# Altium PCB 16SoundsUSB.PcbDoc (part 1 of 4) (continued)
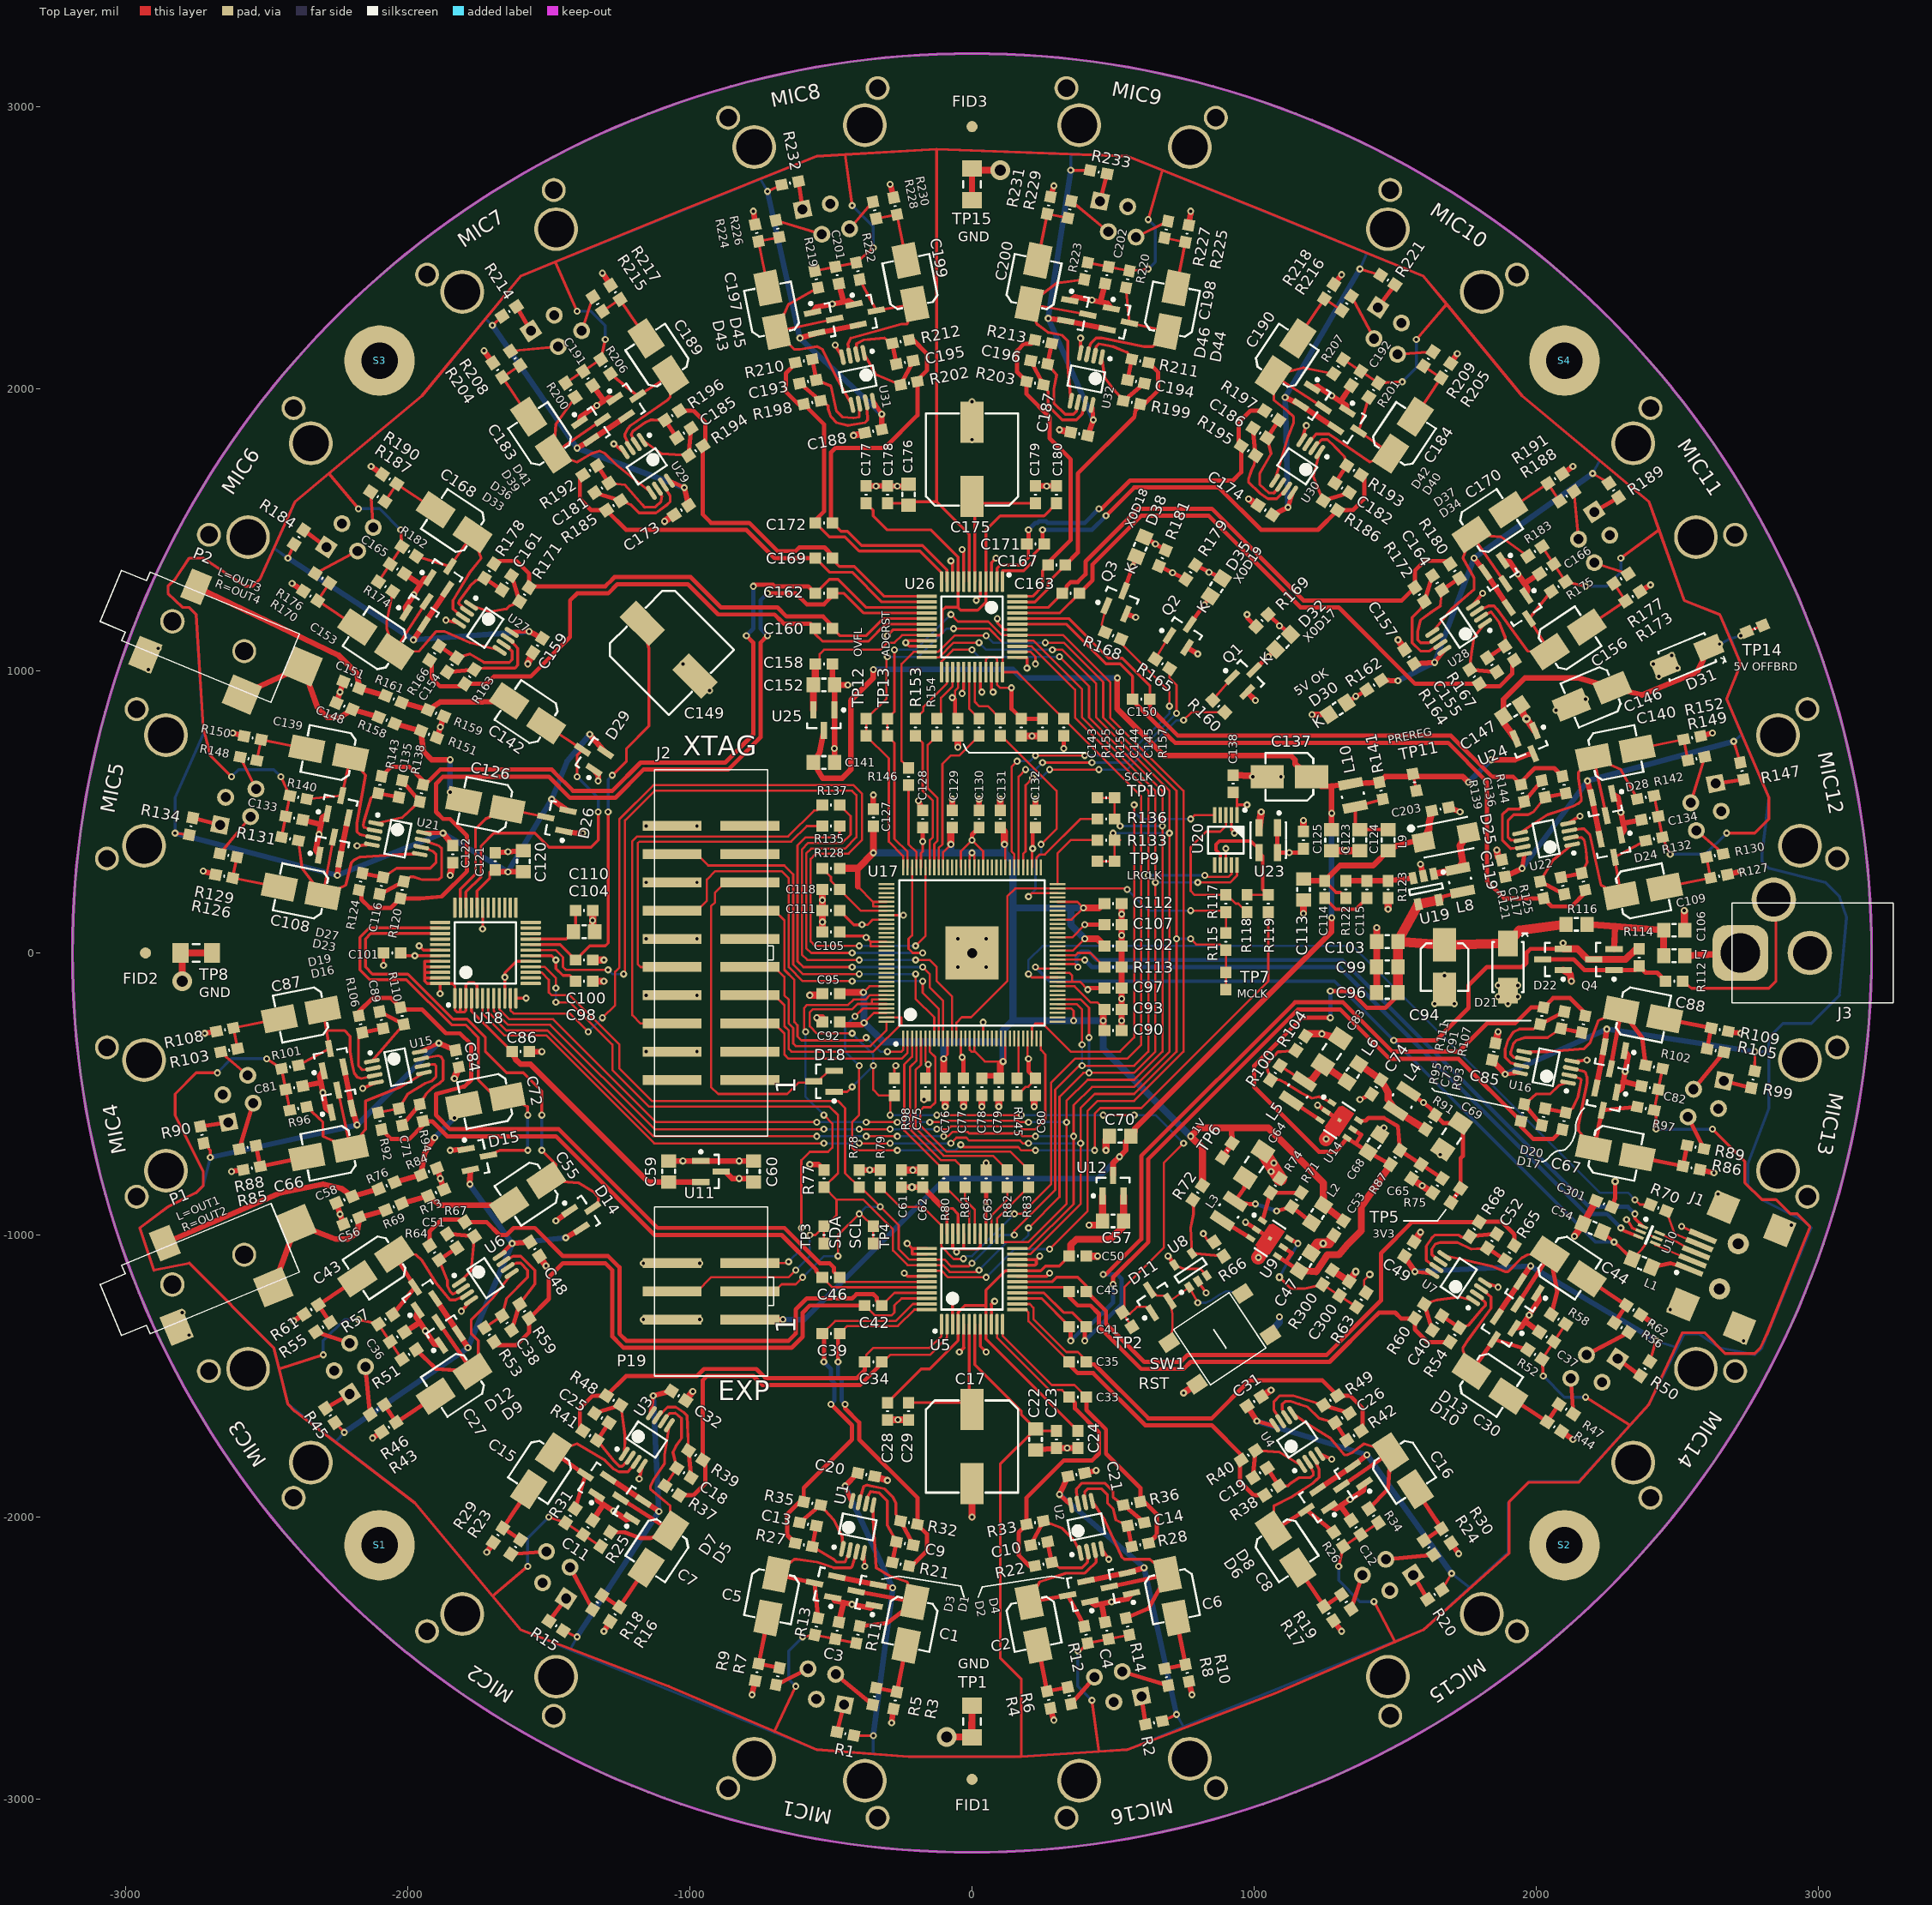
[diagram p0: Top Layer view]
## Components (designator, comment, footprint, x,y, rotation, side; value= is the part's Value field where it differs from the comment) (continued)
C69 "Capacitor" 1206 1700,-650 r236.25 top (schematic designator C58)
C70 "Capacitor" 0805 525,-650 r180 top (schematic designator C18)
C71 "Capacitor" 0603#1 -2025.51,-581.33 r281.25 top (schematic designator C3433)
C72 "Capacitor_Polarized" CAP_RAD_SMD_DIA157 -1725,-525 r191.25 top (schematic designator C40)
C73 "Capacitor" 0603#1 2025.51,-581.33 r258.75 top (schematic designator C3432)
C74 "Capacitor" 0603#1 1433.05,-475.37 r236.25 top (schematic designator C17)
C75 "Capacitor" 0603#1 -165,-475 r270 top (schematic designator C98)
C76 "Capacitor" 0603#1 -95,-475 r270 top (schematic designator C107)
C77 "Capacitor" 0603#1 -30,-475 r270 top (schematic designator C92)
C78 "Capacitor" 0603#1 35,-475 r270 top (schematic designator C108)
C79 "Capacitor" 0603#1 95,-475 r270 top (schematic designator C109)
C80 "Capacitor" 0603#1 225,-475 r270 top (schematic designator C91)
C81 "Capacitor" 0603#1 -2402.92,-477.97 r11.25 top (schematic designator C55)
C82 "Capacitor" 0603#1 2402.92,-477.97 r168.75 top (schematic designator C55)
C83 "Capacitor" 1206 1275,-350 r56.25 top (schematic designator C9)
C84 "Capacitor" 0603#1 -1825,-375 r281.25 top (schematic designator C34)
C85 "Capacitor" 0603#1 1850,-350 r78.75 top (schematic designator C34)
C86 "Capacitor" 0603#1 -1600,-350 r0 top (schematic designator C51)
C87 "Capacitor_Polarized" CAP_RAD_SMD_DIA157 -2378.14,-218.14 r191.25 top (schematic designator C32)
C88 "Capacitor_Polarized" CAP_RAD_SMD_DIA157 2378.14,-218.14 r348.75 top (schematic designator C35)
C89 "Capacitor" 0603#1 -2093.79,-238.05 r101.25 top (schematic designator C3432)
C90 "Capacitor" 0603#1 500,-275 r0 top (schematic designator C113)
C91 "Capacitor" 0603#1 2093.79,-238.05 r78.75 top (schematic designator C3433)
C92 "Capacitor" 0603#1 -500,-245 r180 top (schematic designator C104)
C93 "Capacitor" 0603#1 500,-200 r0 top (schematic designator C105)
C94 "Capacitor_Polarized" CAP_RAD_SMD_DIA157 1675,-50 r270 top (schematic designator C3)
C95 "Capacitor" 0603#1 -500,-145 r180 top (schematic designator C100)
C96 "Capacitor" 0805 1471.96,-139.93 r180 top (schematic designator C214)
C97 "Capacitor" 0603#1 500,-125 r0 top (schematic designator C93)
C98 "Capacitor" 0603#1 -1375,-100 r0 top (schematic designator C54)
C99 "Capacitor" 0805 1472.06,-49.79 r180 top (schematic designator C213)
C100 "Capacitor" 0603#1 -1375,-25 r0 top (schematic designator C53)
C101 "Capacitor" 0603#1 -2055.51,0 r180 top (schematic designator C52)
C102 "Capacitor" 0603#1 500,25 r0 top (schematic designator C114)
C103 "Capacitor" 0805 1472.15,40.35 r180 top (schematic designator C212)
C104 "Capacitor" 0805 -1375,75 r0 top (schematic designator C30)
C105 "Capacitor" 0603#1 -500,75 r180 top (schematic designator C99)
C106 "Capacitor" 0805 2489.3,80.6 r0 top (schematic designator C211)
C107 "Capacitor" 0603#1 500,100 r0 top (schematic designator C95)
C108 "Capacitor_Polarized" CAP_RAD_SMD_DIA157 -2378.14,218.14 r168.75 top (schematic designator C35)
C109 "Capacitor_Polarized" CAP_RAD_SMD_DIA157 2378.14,218.14 r11.25 top (schematic designator C32)
C110 "Capacitor" 0603#1 -1375,150 r0 top (schematic designator C29)
C111 "Capacitor" 0603#1 -500,150 r180 top (schematic designator C94)
C112 "Capacitor" 0603#1 500,175 r0 top (schematic designator C101)
C113 "Capacitor" 0805 1175,225 r270 top (schematic designator C11)
C114 "Capacitor" 0603#1 1250,225 r90 top (schematic designator C2)
C115 "Capacitor" 0603#1 1400,225 r270 top (schematic designator C81)
C116 "Capacitor" 0603#1 -2093.79,238.05 r258.75 top (schematic designator C3433)
C117 "Capacitor" 0603#1 2093.79,238.05 r281.25 top (schematic designator C3432)
C118 "Capacitor" 0603#1 -500,225 r180 top (schematic designator C5)
C119 "Capacitor" 0603#1 1884.05,299.93 r101.25 top (schematic designator C34)
C120 "Capacitor" 0805 -1590,325 r90 top (schematic designator C25)
C121 "Capacitor" 0603#1 -1690,325 r90 top (schematic designator C31)
C122 "Capacitor" 0603#1 -1840,350 r270 top (schematic designator C34)
C123 "Capacitor" 0805 1275,400 r270 top (schematic designator C74)
C124 "Capacitor" 0805 1375,400 r270 top (schematic designator C44)
C125 "Capacitor" 0603#1 1175,400 r90 top (schematic designator C832)
C126 "Capacitor_Polarized" CAP_RAD_SMD_DIA157 -1725,525 r168.75 top (schematic designator C37)
C127 "Capacitor" 0603#1 -350,480 r90 top (schematic designator C111)
C128 "Capacitor" 0603#1 -175,475 r90 top (schematic designator C90)
C129 "Capacitor" 0603#1 -70,475 r90 top (schematic designator C112)
C130 "Capacitor" 0603#1 25,475 r90 top (schematic designator C96)
C131 "Capacitor" 0603#1 100,475 r90 top (schematic designator C110)
C132 "Capacitor" 0603#1 225,475 r90 top (schematic designator C97)
C133 "Capacitor" 0603#1 -2402.92,477.97 r348.75 top (schematic designator C55)
C134 "Capacitor" 0603#1 2402.92,477.97 r191.25 top (schematic designator C55)
C135 "Capacitor" 0603#1 -2025.51,581.33 r78.75 top (schematic designator C3432)
C136 "Capacitor" 0603#1 2025.51,581.33 r101.25 top (schematic designator C3433)
C137 "Capacitor_Polarized" CAP_RAD_SMD_DIA157 1125,625 r180 top (schematic designator C15)
C138 "Capacitor" 0603#1 925,600 r90 top (schematic designator C83)
C139 "Capacitor_Polarized" CAP_RAD_SMD_DIA157 -2280.59,708.54 r168.75 top (schematic designator C32)
C140 "Capacitor_Polarized" CAP_RAD_SMD_DIA157 2280.59,708.54 r11.25 top (schematic designator C35)
C141 "Capacitor" 0805 -525,675 r0 top (schematic designator C18)
C142 "Capacitor_Polarized" CAP_RAD_SMD_DIA157 -1575,850 r146.25 top (schematic designator C41)
C143 "Capacitor" 0603#1 -50,800 r270 top (schematic designator C48)
C144 "Capacitor" 0603#1 175,800 r270 top (schematic designator C49)
C145 "Capacitor" 0603#1 250,800 r270 top (schematic designator C50)
C146 "Capacitor_Polarized" CAP_RAD_SMD_DIA157 2197.11,910.08 r202.5 top (schematic designator C16)
C147 "Capacitor" 0805 1915,860 r33.75 top (schematic designator C1)
C148 "Capacitor" 0603#1 -2225,875 r157.5 top (schematic designator C39)
C149 "Capacitor_Polarized" CAP_RAD_SMD_DIA315 -1075,1075 r315 top (schematic designator C28)
C150 "Capacitor" 0603#1 600,900 r0 top (schematic designator C33)
C151 "Capacitor" 0603#1 -2200,950 r157.5 top (schematic designator C43)
C152 "Capacitor" 0805 -525,950 r0 top (schematic designator C19)
C153 "Capacitor_Polarized" CAP_RAD_SMD_DIA157 -2113.63,1111.61 r146.25 top (schematic designator C35)
C154 "Capacitor" 0603#1 -1843.31,1021.19 r236.25 top (schematic designator C3433)
C155 "Capacitor" 0603#1 1843.31,1021.19 r303.75 top (schematic designator C3432)
C156 "Capacitor_Polarized" CAP_RAD_SMD_DIA157 2113.63,1111.61 r33.75 top (schematic designator C32)
C157 "Capacitor" 0603#1 1550,1050 r123.75 top (schematic designator C34)
C158 "Capacitor" 0603#1 -525,1025 r0 top (schematic designator C46)
C159 "Capacitor" 0603#1 -1540,1090 r236.25 top (schematic designator C34)
C160 "Capacitor" 0603#1 -525,1150 r180 top (schematic designator C33)
C161 "Capacitor" 0603#1 -1648.86,1312.2 r56.25 top (schematic designator C3432)
C162 "Capacitor" 0603#1 -525,1275 r0 top (schematic designator C33)
C163 "Capacitor" 0603#1 350,1275 r180 top (schematic designator C33)
C164 "Capacitor" 0603#1 1648.86,1312.2 r123.75 top (schematic designator C3433)
C165 "Capacitor" 0603#1 -2037.1,1361.15 r326.25 top (schematic designator C55)
C166 "Capacitor" 0603#1 2037.1,1361.15 r213.75 top (schematic designator C55)
C167 "Capacitor" 0603#1 300,1375 r180 top (schematic designator C33)
C168 "Capacitor_Polarized" CAP_RAD_SMD_DIA157 -1835.85,1527.35 r146.25 top (schematic designator C32)
C169 "Capacitor" 0603#1 -525,1400 r180 top (schematic designator C33)
C170 "Capacitor_Polarized" CAP_RAD_SMD_DIA157 1835.85,1527.35 r33.75 top (schematic designator C35)
C171 "Capacitor" 0603#1 225,1450 r180 top (schematic designator C33)
C172 "Capacitor" 0603#1 -525,1525 r180 top (schematic designator C33)
C173 "Capacitor" 0603#1 -1030,1570 r213.75 top (schematic designator C34)
C174 "Capacitor" 0603#1 1040,1570 r146.25 top (schematic designator C34)
C175 "Capacitor_Polarized" CAP_RAD_SMD_DIA315 0,1750 r90 top (schematic designator C20)
C176 "Capacitor" 0805 -225,1625 r90 top (schematic designator C22)
C177 "Capacitor" 0603#1 -375,1625 r90 top (schematic designator C45)
C178 "Capacitor" 0603#1 -300,1625 r90 top (schematic designator C23)
C179 "Capacitor" 0603#1 225,1625 r90 top (schematic designator C21)
C180 "Capacitor" 0603#1 300,1625 r90 top (schematic designator C47)
C181 "Capacitor" 0603#1 -1312.2,1648.86 r213.75 top (schematic designator C3433)
C182 "Capacitor" 0603#1 1312.2,1648.86 r326.25 top (schematic designator C3432)
C183 "Capacitor_Polarized" CAP_RAD_SMD_DIA157 -1527.35,1835.85 r123.75 top (schematic designator C35)
C184 "Capacitor_Polarized" CAP_RAD_SMD_DIA157 1527.35,1835.85 r56.25 top (schematic designator C32)
C185 "Capacitor" 0603#1 -1021.19,1843.31 r33.75 top (schematic designator C3432)
C186 "Capacitor" 0603#1 1021.19,1843.31 r146.25 top (schematic designator C3433)
C187 "Capacitor" 0603#1 380,1840 r168.75 top (schematic designator C34)
C188 "Capacitor" 0603#1 -350,1850 r191.25 top (schematic designator C34)
C189 "Capacitor_Polarized" CAP_RAD_SMD_DIA157 -1111.61,2113.63 r123.75 top (schematic designator C32)
C190 "Capacitor_Polarized" CAP_RAD_SMD_DIA157 1111.61,2113.63 r56.25 top (schematic designator C35)
C191 "Capacitor" 0603#1 -1361.15,2037.1 r303.75 top (schematic designator C55)
C192 "Capacitor" 0603#1 1361.15,2037.1 r236.25 top (schematic designator C55)
C193 "Capacitor" 0603#1 -581.33,2025.51 r191.25 top (schematic designator C3433)
C194 "Capacitor" 0603#1 581.33,2025.51 r348.75 top (schematic designator C3432)
C195 "Capacitor" 0603#1 -238.05,2093.79 r11.25 top (schematic designator C3432)
C196 "Capacitor" 0603#1 238.05,2093.79 r168.75 top (schematic designator C3433)
C197 "Capacitor_Polarized" CAP_RAD_SMD_DIA157 -708.54,2280.59 r101.25 top (schematic designator C35)
C198 "Capacitor_Polarized" CAP_RAD_SMD_DIA157 708.54,2280.59 r78.75 top (schematic designator C32)
C199 "Capacitor_Polarized" CAP_RAD_SMD_DIA157 -218.14,2378.14 r101.25 top (schematic designator C32)
C200 "Capacitor_Polarized" CAP_RAD_SMD_DIA157 218.14,2378.14 r78.75 top (schematic designator C35)
C201 "Capacitor" 0603#1 -477.97,2402.92 r281.25 top (schematic designator C55)
C202 "Capacitor" 0603#1 477.97,2402.92 r258.75 top (schematic designator C55)
C203 "Capacitor" 0603#1 1660,510 r11.25 top
C300 "Capacitor" 0603#1 1320,-1190 r56.25 top
C301 "Capacitor" 0603#1 2240,-890 r157.5 top
D1 "Diode_dual" SOT23_132 -375.15,-2270.44 r168.75 top (schematic designator D6)
D2 "Diode_dual" SOT23_132 375.15,-2270.44 r191.25 top (schematic designator D5)
D3 "Diode_dual" SOT23_132 -522.27,-2241.17 r168.75 top (schematic designator D5)
D4 "Diode_dual" SOT23_132 522.27,-2241.17 r191.25 top (schematic designator D6)
D5 "Diode_dual" SOT23_132 -1215.45,-1954.05 r146.25 top (schematic designator D6)
D6 "Diode_dual" SOT23_132 1215.45,-1954.05 r213.75 top (schematic designator D5)
D7 "Diode_dual" SOT23_132 -1340.17,-1870.71 r146.25 top (schematic designator D5)
D8 "Diode_dual" SOT23_132 1340.17,-1870.71 r213.75 top (schematic designator D6)
D9 "Diode_dual" SOT23_132 -1870.71,-1340.17 r123.75 top (schematic designator D6)
D10 "Diode_dual" SOT23_132 1870.71,-1340.17 r236.25 top (schematic designator D5)
D11 "Diode_dual" SOT23_132 650,-1225 r123.75 top (schematic designator D4)
D12 "Diode_dual" SOT23_132 -1954.05,-1215.45 r123.75 top (schematic designator D5)
D13 "Diode_dual" SOT23_132 1954.05,-1215.45 r236.25 top (schematic designator D6)
D14 "Diode_dual" SOT23_132 -1375,-925 r33.75 top (schematic designator D6126)
D15 "Diode_dual" SOT23_132 -1750,-725 r11.25 top (schematic designator D6125)
D16 "Diode_dual" SOT23_132 -2241.17,-522.27 r101.25 top (schematic designator D6)
D17 "Diode_dual" SOT23_132 2241.17,-522.27 r258.75 top (schematic designator D5)
D18 "Diode_dual" SOT23_132 -525,-455 r180 top (schematic designator D3)
D19 "Diode_dual" SOT23_132 -2270.44,-375.15 r101.25 top (schematic designator D5)
D20 "Diode_dual" SOT23_132 2270.44,-375.15 r258.75 top (schematic designator D6)
D21 "Diode_zener" DIODE_DO-214AC/SMA 1900,-50 r270 top (schematic designator D12)
D22 "Diode_dual" SOT23_132 2059.3,-22.96 r180 top (schematic designator D132)
D23 "Diode_dual" SOT23_132 -2270.44,375.15 r78.75 top (schematic designator D6)
D24 "Diode_dual" SOT23_132 2270.44,375.15 r281.25 top (schematic designator D5)
D25 "Diode" DIODE_SMA 1680,410 r11.25 top (schematic designator D1)
D26 "Diode_dual" SOT23_132 -1475,475 r168.75 top (schematic designator D6124)
D27 "Diode_dual" SOT23_132 -2241.17,522.27 r78.75 top (schematic designator D5)
D28 "Diode_dual" SOT23_132 2241.17,522.27 r281.25 top (schematic designator D6)
D29 "Diode_dual" SOT23_132 -1350,700 r146.25 top (schematic designator D6123)
D30 "Diode_LED" 0805_LED 1296.24,866.12 r33.75 top (schematic designator D10)
D31 "Diode_zener" DIODE_DO-214AC/SMA 2534.92,1050 r202.5 top (schematic designator D11)
D32 "Diode_LED" 0805_LED 1102.36,1102.36 r45 top (schematic designator D7)
D33 "Diode_dual" SOT23_132 -1954.05,1215.45 r56.25 top (schematic designator D6)
D34 "Diode_dual" SOT23_132 1954.05,1215.45 r303.75 top (schematic designator D5)
D35 "Diode_LED" 0805_LED 866.12,1296.24 r56.25 top (schematic designator D9)
D36 "Diode_dual" SOT23_132 -1870.71,1340.17 r56.25 top (schematic designator D5)
D37 "Diode_dual" SOT23_132 1870.71,1340.17 r303.75 top (schematic designator D6)
D38 "Diode_LED" 0805_LED 596.59,1440.31 r67.5 top (schematic designator D8)
D39 "Diode_dual" SOT23_132 -1340.17,1870.71 r33.75 top (schematic designator D6)
D40 "Diode_dual" SOT23_132 1340.17,1870.71 r326.25 top (schematic designator D5)
D41 "Diode_dual" SOT23_132 -1215.45,1954.05 r33.75 top (schematic designator D5)
D42 "Diode_dual" SOT23_132 1215.45,1954.05 r326.25 top (schematic designator D6)
D43 "Diode_dual" SOT23_132 -522.27,2241.17 r11.25 top (schematic designator D6)
D44 "Diode_dual" SOT23_132 522.27,2241.17 r348.75 top (schematic designator D5)
D45 "Diode_dual" SOT23_132 -375.15,2270.44 r11.25 top (schematic designator D5)
D46 "Diode_dual" SOT23_132 375.15,2270.44 r348.75 top (schematic designator D6)
D100 "Diode_LED" 0805_LED 1102.36,1102.36 r45 bottom
D101 "Diode_LED" 0805_LED 596.59,1440.31 r67.5 bottom
D102 "Diode_LED" 0805_LED 866.12,1296.24 r56.25 bottom
D103 "Diode_LED" 0805_LED 1296.24,866.12 r33.75 bottom
FID1 "Fiducial" FIDUCIAL 0,-2930 r180 top (schematic designator FID3)
FID2 "Fiducial" FIDUCIAL -2930,0 r90 top
FID3 "Fiducial" FIDUCIAL 0,2930 r270 top (schematic designator FID1)
FID4 "Fiducial" FIDUCIAL -3020,0 r90 bottom
FID5 "Fiducial" FIDUCIAL 0,-3020 r90 bottom
FID6 "Fiducial" FIDUCIAL 0,3020 r90 bottom
J1 "USB_MINIB_690-005-299-043" CONN_USB_MINIB_690-005-299-043 2679.25,-1109.78 r337.5 top locked (schematic designator J5)
J2 "CON20" CONN20_100mils_pol_SMD -925,0 r90 top (schematic designator J4)
J3 "CON_POWER_RAPC712X" CONN_2.5mmID5.5mmOD_RAPC712X 2970,0 r90 top
L1 "Ferrite" 0805 2375,-1100 r337.5 top (schematic designator L4)
L2 "Ferrite" 0805 1225,-925 r56.25 top (schematic designator L7)
L3 "Inductor" IND_252012CDMC/DS 910.63,-914.97 r56.25 top (schematic designator L5)
L4 "Inductor" IND_252012CDMC/DS 1525,-525 r56.25 top (schematic designator L1)
L5 "Inductor" IND_252012CDMC/DS 1155,-490 r56.25 top (schematic designator L2)
L6 "Ferrite" 0805 1350,-425 r56.25 top (schematic designator L41)
L7 "Ferrite" 0805 2489.21,-9.54 r180 top (schematic designator L12)
L8 "Inductor" IND_252012CDMC/DS 1730.23,257.47 r101.25 top (schematic designator L6)
L9 "Ferrite" 0805 1475,400 r90 top (schematic designator L42)
L10 "Inductor" IND_252012CDMC/DS 1350,559.19 r101.25 top (schematic designator L3)
MIC1 "CON6_5555140-2" CONN4_5555140-2 -576.05,-2896.02 r168.75 bottom (schematic designator P2)
MIC2 "CON6_5555140-2" CONN4_5555140-2 -1640.46,-2455.13 r146.25 bottom (schematic designator P2)
MIC3 "CON6_5555140-2" CONN4_5555140-2 -2455.13,-1640.46 r123.75 bottom (schematic designator P2)
MIC4 "CON6_5555140-2" CONN4_5555140-2 -2896.02,-576.05 r101.25 bottom (schematic designator P2)
MIC5 "CON6_5555140-2" CONN4_5555140-2 -2896.02,576.05 r78.75 bottom (schematic designator P2)
MIC6 "CON6_5555140-2" CONN4_5555140-2 -2455.13,1640.46 r56.25 bottom (schematic designator P2)
MIC7 "CON6_5555140-2" CONN4_5555140-2 -1640.47,2455.13 r33.75 bottom (schematic designator P2)
MIC8 "CON6_5555140-2" CONN4_5555140-2 -576.05,2896.02 r11.25 bottom (schematic designator P2)
MIC9 "CON6_5555140-2" CONN4_5555140-2 576.05,2896.02 r348.75 bottom (schematic designator P2)
MIC10 "CON6_5555140-2" CONN4_5555140-2 1640.46,2455.13 r326.25 bottom (schematic designator P2)
MIC11 "CON6_5555140-2" CONN4_5555140-2 2455.13,1640.46 r303.75 bottom (schematic designator P2)
MIC12 "CON6_5555140-2" CONN4_5555140-2 2896.02,576.05 r281.25 bottom (schematic designator P2)
MIC13 "CON6_5555140-2" CONN4_5555140-2 2896.02,-576.05 r258.75 bottom (schematic designator P2)
MIC14 "CON6_5555140-2" CONN4_5555140-2 2455.13,-1640.46 r236.25 bottom (schematic designator P2)
MIC15 "CON6_5555140-2" CONN4_5555140-2 1640.46,-2455.13 r213.75 bottom (schematic designator P2)
MIC16 "CON6_5555140-2" CONN4_5555140-2 576.05,-2896.02 r191.25 bottom (schematic designator P2)
P1 "CON_AUDIO_3.5mm_TRS_ALT1" "CONN_3.5mm_CUI 3523-SMT" -2998.31,-1243.27 r22.5 top (schematic designator P3)
P2 "CON_AUDIO_3.5mm_TRS_ALT1" "CONN_3.5mm_CUI 3523-SMT" -2998.29,1243.26 r337.5 top (schematic designator P4)
P19 "CON6_3020-06-0300-00" CONN6_100mils_pol_SMD -925,-1200 r90 top (schematic designator P?)
Q1 "BJT_N_GDS" SOT23_GDS 974.3,977.2 r45 top (schematic designator Q2)
Q2 "BJT_N_GDS" SOT23_GDS 751.33,1134.5 r56.25 top (schematic designator Q4)
Q3 "BJT_N_GDS" SOT23_GDS 525,1250 r67.5 top
Q4 "MOSFET_P_GDS" SOT23_GDS 2239.58,-23.14 r180 top (schematic designator Q?)
R1 "Resistor" 0603#1 -448.71,-2768.41 r348.75 top (schematic designator R32)
R2 "Resistor" 0603#1 644.87,-2729.39 r11.25 top (schematic designator R32)
R3 "Resistor" 0603#1 -272.33,-2650.56 r78.75 top (schematic designator R42)
R4 "Resistor" 0603#1 271.79,-2647.85 r101.25 top (schematic designator R70)
R5 "Resistor" 0603#1 -345.89,-2635.92 r78.75 top (schematic designator R71)
R6 "Resistor" 0603#1 345.35,-2633.22 r101.25 top (schematic designator R15)
R7 "Resistor" 0603#1 -688.63,-2564.94 r78.75 top (schematic designator R15)
R8 "Resistor" 0603#1 689.16,-2567.64 r101.25 top (schematic designator R71)
R9 "Resistor" 0603#1 -762.19,-2550.31 r78.75 top (schematic designator R70)
R10 "Resistor" 0603#1 762.72,-2553.01 r101.25 top (schematic designator R42)
R11 "Resistor" 0603#1 -404.41,-2417.56 r258.75 top (schematic designator R31)
R12 "Resistor" 0603#1 404.41,-2417.56 r101.25 top (schematic designator R25)
R13 "Resistor" 0603#1 -551.53,-2388.29 r78.75 top (schematic designator R25)
R14 "Resistor" 0603#1 551.53,-2388.29 r281.25 top (schematic designator R31)
R15 "Resistor" 0603#1 -1473.98,-2385.96 r326.25 top (schematic designator R32)
R16 "Resistor" 0603#1 -1265.92,-2344.58 r56.25 top (schematic designator R42)
R17 "Resistor" 0603#1 1264.39,-2342.29 r123.75 top (schematic designator R70)
R18 "Resistor" 0603#1 -1328.29,-2302.91 r56.25 top (schematic designator R71)
R19 "Resistor" 0603#1 1326.75,-2300.62 r123.75 top (schematic designator R15)
R20 "Resistor" 0603#1 1640.27,-2274.85 r33.75 top (schematic designator R32)
R21 "Resistor" 0603#1 -252.68,-2167.35 r348.75 top (schematic designator R43)
R22 "Resistor" 0603#1 252.68,-2167.35 r191.25 top (schematic designator R26)
R23 "Resistor" 0603#1 -1617.77,-2106.17 r56.25 top (schematic designator R15)
R24 "Resistor" 0603#1 1619.3,-2108.46 r123.75 top (schematic designator R71)
R25 "Resistor" 0603#1 -1298.79,-2078.77 r236.25 top (schematic designator R31)
R26 "Resistor" 0603#1 1298.79,-2078.77 r123.75 top (schematic designator R25)
R27 "Resistor" 0603#1 -595.96,-2099.07 r168.75 top (schematic designator R26)
R28 "Resistor" 0603#1 595.96,-2099.07 r11.25 top (schematic designator R43)
R29 "Resistor" 0603#1 -1680.13,-2064.5 r56.25 top (schematic designator R70)
R30 "Resistor" 0603#1 1681.66,-2066.79 r123.75 top (schematic designator R42)
R31 "Resistor" 0603#1 -1423.51,-1995.43 r56.25 top (schematic designator R25)
R32 "Resistor" 0603#1 -223.42,-2020.23 r348.75 top (schematic designator R34)
R33 "Resistor" 0603#1 223.42,-2020.23 r191.25 top (schematic designator R69)
R34 "Resistor" 0603#1 1423.51,-1995.43 r303.75 top (schematic designator R31)
R35 "Resistor" 0603#1 -566.7,-1951.95 r168.75 top (schematic designator R69)
R36 "Resistor" 0603#1 566.7,-1951.95 r11.25 top (schematic designator R34)
R37 "Resistor" 0603#1 -1062.86,-1905.67 r326.25 top (schematic designator R43)
R38 "Resistor" 0603#1 1062.86,-1905.67 r213.75 top (schematic designator R26)
R39 "Resistor" 0603#1 -979.52,-1780.95 r326.25 top (schematic designator R34)
R40 "Resistor" 0603#1 979.52,-1780.95 r213.75 top (schematic designator R69)
R41 "Resistor" 0603#1 -1353.87,-1711.22 r146.25 top (schematic designator R26)
R42 "Resistor" 0603#1 1353.87,-1711.22 r33.75 top (schematic designator R43)
R43 "Resistor" 0603#1 -2066.79,-1681.66 r33.75 top (schematic designator R42)
R44 "Resistor" 0603#1 2064.5,-1680.13 r146.25 top (schematic designator R70)
R45 "Resistor" 0603#1 -2274.85,-1640.27 r303.75 top (schematic designator R32)
R46 "Resistor" 0603#1 -2108.46,-1619.3 r33.75 top (schematic designator R71)
R47 "Resistor" 0603#1 2106.17,-1617.77 r146.25 top (schematic designator R15)
R48 "Resistor" 0603#1 -1270.54,-1586.5 r146.25 top (schematic designator R69)
R49 "Resistor" 0603#1 1270.54,-1586.5 r33.75 top (schematic designator R34)
R50 "Resistor" 0603#1 2385.96,-1473.98 r56.25 top (schematic designator R32)
R51 "Resistor" 0603#1 -1995.43,-1423.51 r213.75 top (schematic designator R31)
R52 "Resistor" 0603#1 1995.43,-1423.51 r146.25 top (schematic designator R25)
R53 "Resistor" 0603#1 -1711.22,-1353.87 r303.75 top (schematic designator R43)
R54 "Resistor" 0603#1 1711.22,-1353.87 r236.25 top (schematic designator R26)
R55 "Resistor" 0603#1 -2300.62,-1326.75 r33.75 top (schematic designator R15)
R56 "Resistor" 0603#1 2302.91,-1328.29 r146.25 top (schematic designator R71)
R57 "Resistor" 0603#1 -2078.77,-1298.79 r33.75 top (schematic designator R25)
R58 "Resistor" 0603#1 2078.77,-1298.79 r326.25 top (schematic designator R31)
R59 "Resistor" 0603#1 -1586.5,-1270.54 r303.75 top (schematic designator R34)
R60 "Resistor" 0603#1 1586.5,-1270.54 r236.25 top (schematic designator R69)
R61 "Resistor" 0603#1 -2342.29,-1264.39 r33.75 top (schematic designator R70)
R62 "Resistor" 0603#1 2344.58,-1265.92 r146.25 top (schematic designator R42)
R63 "Resistor" 0603#1 1380,-1230 r236.25 top (schematic designator R29)
R64 "Resistor" 0603#1 -1905.67,-1062.86 r123.75 top (schematic designator R26)
R65 "Resistor" 0603#1 1905.67,-1062.86 r56.25 top (schematic designator R43)
R66 "Resistor" 0603#1 875,-1050 r123.75 top (schematic designator R35)
R67 "Resistor" 0603#1 -1780.95,-979.52 r123.75 top (schematic designator R69)
R68 "Resistor" 0603#1 1780.95,-979.52 r56.25 top (schematic designator R34)
R69 "Resistor" 0603#1 -2050,-900 r202.5 top (schematic designator R44)
R70 "Resistor" 0603#1 2432.8,-903.93 r157.5 top (schematic designator R67)
R71 "Resistor" 0603#1 1150,-875 r56.25 top (schematic designator R27)
R72 "Resistor" 0603#1 800,-850 r236.25 top (schematic designator R33)
R73 "Resistor" 0603#1 -1900,-850 r202.5 top (schematic designator R49)
R74 "Resistor" 0603#1 1075,-825 r56.25 top (schematic designator R30)
R75 "Resistor" 0603#1 1650,-825 r236.25 top (schematic designator R23)
R76 "Resistor" 0603#1 -2075,-825 r202.5 top (schematic designator R51)
R77 "Resistor" 0603#1 -525,-800 r270 top (schematic designator R5)
R78 "Resistor" 0603#1 -400,-800 r270 top (schematic designator R38)
R79 "Resistor" 0603#1 -325,-800 r270 top (schematic designator R7)
R80 "Resistor" 0603#1 -100,-800 r90 top (schematic designator R85)
R81 "Resistor" 0603#1 -25,-800 r90 top (schematic designator R83)
R82 "Resistor" 0603#1 125,-800 r90 top (schematic designator R84)
R83 "Resistor" 0603#1 200,-800 r90 top (schematic designator R86)
R84 "Resistor" 0603#1 -1925,-775 r202.5 top (schematic designator R53)
R85 "Resistor" 0603#1 -2553.01,-762.72 r11.25 top (schematic designator R42)
R86 "Resistor" 0603#1 2550.31,-762.19 r168.75 top (schematic designator R70)
R87 "Resistor" 0603#1 1500,-725 r56.25 top (schematic designator R19)
R88 "Resistor" 0603#1 -2567.64,-689.16 r11.25 top (schematic designator R71)
R89 "Resistor" 0603#1 2564.94,-688.63 r168.75 top (schematic designator R15)
R90 "Resistor" 0603#1 -2729.39,-644.87 r281.25 top (schematic designator R32)
R91 "Resistor" 0603#1 1625,-600 r236.25 top (schematic designator R72)
R92 "Resistor" 0603#1 -2099.07,-595.96 r281.25 top (schematic designator R43)
R93 "Resistor" 0603#1 2099.07,-595.96 r258.75 top (schematic designator R26)
R94 "Resistor" 0603#1 -1951.95,-566.69 r281.25 top (schematic designator R34)
R95 "Resistor" 0603#1 1951.95,-566.7 r258.75 top (schematic designator R69)
R96 "Resistor" 0603#1 -2388.29,-551.53 r191.25 top (schematic designator R31)
R97 "Resistor" 0603#1 2388.29,-551.53 r168.75 top (schematic designator R25)
R98 "Resistor" 0603#1 -275,-475 r270 top (schematic designator R68)
R99 "Resistor" 0603#1 2768.41,-448.71 r78.75 top (schematic designator R32)
R100 "Resistor" 0603#1 1075,-425 r236.25 top (schematic designator R20)
R101 "Resistor" 0603#1 -2417.56,-404.41 r11.25 top (schematic designator R25)
R102 "Resistor" 0603#1 2417.56,-404.41 r348.75 top (schematic designator R31)
R103 "Resistor" 0603#1 -2633.22,-345.35 r11.25 top (schematic designator R15)
R104 "Resistor" 0603#1 1165,-320 r56.25 top (schematic designator R24)
R105 "Resistor" 0603#1 2635.92,-345.89 r168.75 top (schematic designator R71)
R106 "Resistor" 0603#1 -2167.35,-252.68 r101.25 top (schematic designator R26)
R107 "Resistor" 0603#1 2167.35,-252.68 r78.75 top (schematic designator R43)
R108 "Resistor" 0603#1 -2647.85,-271.79 r11.25 top (schematic designator R70)
R109 "Resistor" 0603#1 2650.56,-272.33 r168.75 top (schematic designator R42)
R110 "Resistor" 0603#1 -2020.23,-223.42 r101.25 top (schematic designator R69)
R111 "Resistor" 0603#1 2020.23,-223.42 r78.75 top (schematic designator R34)
R112 "Resistor" 0603#1 2489.11,-99.68 r180 top (schematic designator R1235)
R113 "Resistor" 0603#1 500,-50 r180 top (schematic designator R40)
R114 "Resistor" 0603#2 2364.39,-16.34 r90 top (schematic designator R1234)
R115 "Resistor" 0603#1 900,40 r90 top (schematic designator R65)
R116 "Resistor_PTC" 0805 2142.64,101.77 r180 top (schematic designator R21)
R117 "Resistor" 0603#1 900,175 r270 top (schematic designator R2)
R118 "Resistor" 0603#1 975,175 r270 top (schematic designator R9)
R119 "Resistor" 0603#1 1050,175 r270 top (schematic designator R17)
R120 "Resistor" 0603#1 -2020.23,223.42 r258.75 top (schematic designator R34)
R121 "Resistor" 0603#1 2020.23,223.42 r281.25 top (schematic designator R69)
R122 "Resistor" 0603#1 1325,225 r270 top (schematic designator R37)
R123 "Resistor" 0603#1 1475,225 r270 top (schematic designator R1)
R124 "Resistor" 0603#1 -2167.35,252.68 r258.75 top (schematic designator R43)
R125 "Resistor" 0603#1 2167.35,252.68 r281.25 top (schematic designator R26)
R126 "Resistor" 0603#1 -2650.84,271.6 r348.75 top (schematic designator R42)
R127 "Resistor" 0603#1 2647.85,271.79 r191.25 top (schematic designator R70)
R128 "Resistor" 0603#1 -500,300 r180 top (schematic designator R16)
R129 "Resistor" 0603#1 -2635.92,345.88 r348.75 top (schematic designator R71)
R130 "Resistor" 0603#1 2633.22,345.35 r191.25 top (schematic designator R15)
R131 "Resistor" 0603#1 -2417.56,404.41 r168.75 top (schematic designator R31)
R132 "Resistor" 0603#1 2417.56,404.41 r191.25 top (schematic designator R25)
R133 "Resistor" 0603#1 475,400 r180 top (schematic designator R801)
R134 "Resistor" 0603#1 -2768.41,448.71 r258.75 top (schematic designator R32)
R135 "Resistor" 0603#1 -500,450 r0 top (schematic designator R46)
R136 "Resistor" 0603#1 475,475 r180 top (schematic designator R802)
R137 "Resistor" 0603#1 -500,525 r0 top (schematic designator R47)
R138 "Resistor" 0603#1 -1951.95,566.7 r78.75 top (schematic designator R69)
R139 "Resistor" 0603#1 1951.95,566.7 r101.25 top (schematic designator R34)
R140 "Resistor" 0603#1 -2388.29,551.53 r348.75 top (schematic designator R25)
R141 "Resistor" 0603#1 1450,575 r281.25 top (schematic designator R55)
R142 "Resistor" 0603#1 2388.29,551.53 r11.25 top (schematic designator R31)
R143 "Resistor" 0603#1 -2099.07,595.96 r78.75 top (schematic designator R26)
R144 "Resistor" 0603#1 2099.07,595.96 r101.25 top (schematic designator R43)
R145 "Resistor" 0603#1 160,-475 r90 top (schematic designator R39)
R146 "Resistor" 0603#1 -225,625 r90 top (schematic designator R66)
R147 "Resistor" 0603#1 2729.4,644.88 r101.25 top (schematic designator R32)
R148 "Resistor" 0603#1 -2564.94,688.63 r348.75 top (schematic designator R15)
R149 "Resistor" 0603#1 2567.64,689.16 r191.25 top (schematic designator R71)
R150 "Resistor" 0603#1 -2550.31,762.19 r348.75 top (schematic designator R70)
R151 "Resistor" 0603#1 -1925,775 r157.5 top (schematic designator R50)
R152 "Resistor" 0603#1 2553.01,762.72 r191.25 top (schematic designator R42)
R153 "Resistor" 0603#1 -200,800 r270 top (schematic designator R86)
R154 "Resistor" 0603#1 -125,800 r270 top (schematic designator R84)
R155 "Resistor" 0603#1 25,800 r270 top (schematic designator R83)
R156 "Resistor" 0603#1 100,800 r270 top (schematic designator R85)
R157 "Resistor" 0603#1 325,800 r90 top (schematic designator R7)
R158 "Resistor" 0603#1 -2075,825 r157.5 top (schematic designator R48)
R159 "Resistor" 0603#1 -1900,850 r157.5 top (schematic designator R54)
R160 "Resistor" 0603#1 875,875 r135 top (schematic designator R45)
R161 "Resistor" 0603#1 -2050,900 r157.5 top (schematic designator R52)
R162 "Resistor" 0603#1 1425,950 r33.75 top (schematic designator R56)
R163 "Resistor" 0603#1 -1780.95,979.52 r236.25 top (schematic designator R34)
R164 "Resistor" 0603#1 1780.95,979.52 r303.75 top (schematic designator R69)
R165 "Resistor" 0603#1 675,1025 r146.25 top (schematic designator R10)
R166 "Resistor" 0603#1 -1905.67,1062.86 r236.25 top (schematic designator R43)
R167 "Resistor" 0603#1 1905.67,1062.86 r303.75 top (schematic designator R26)
R168 "Resistor" 0603#1 500,1125 r157.5 top (schematic designator R8)
R169 "Resistor" 0603#1 1028.42,1178.42 r225 top (schematic designator R41)
R170 "Resistor" 0603#1 -2344.58,1265.92 r326.25 top (schematic designator R42)
R171 "Resistor" 0603#1 -1586.5,1270.54 r56.25 top (schematic designator R69)
R172 "Resistor" 0603#1 1586.5,1270.54 r123.75 top (schematic designator R34)
R173 "Resistor" 0603#1 2342.29,1264.39 r213.75 top (schematic designator R70)
R174 "Resistor" 0603#1 -2078.77,1298.79 r146.25 top (schematic designator R31)
R175 "Resistor" 0603#1 2078.77,1298.79 r213.75 top (schematic designator R25)
R176 "Resistor" 0603#1 -2302.91,1328.29 r326.25 top (schematic designator R71)
R177 "Resistor" 0603#1 2300.62,1326.75 r213.75 top (schematic designator R15)